# KiCad board frankenso.kicad_pcb (continued)
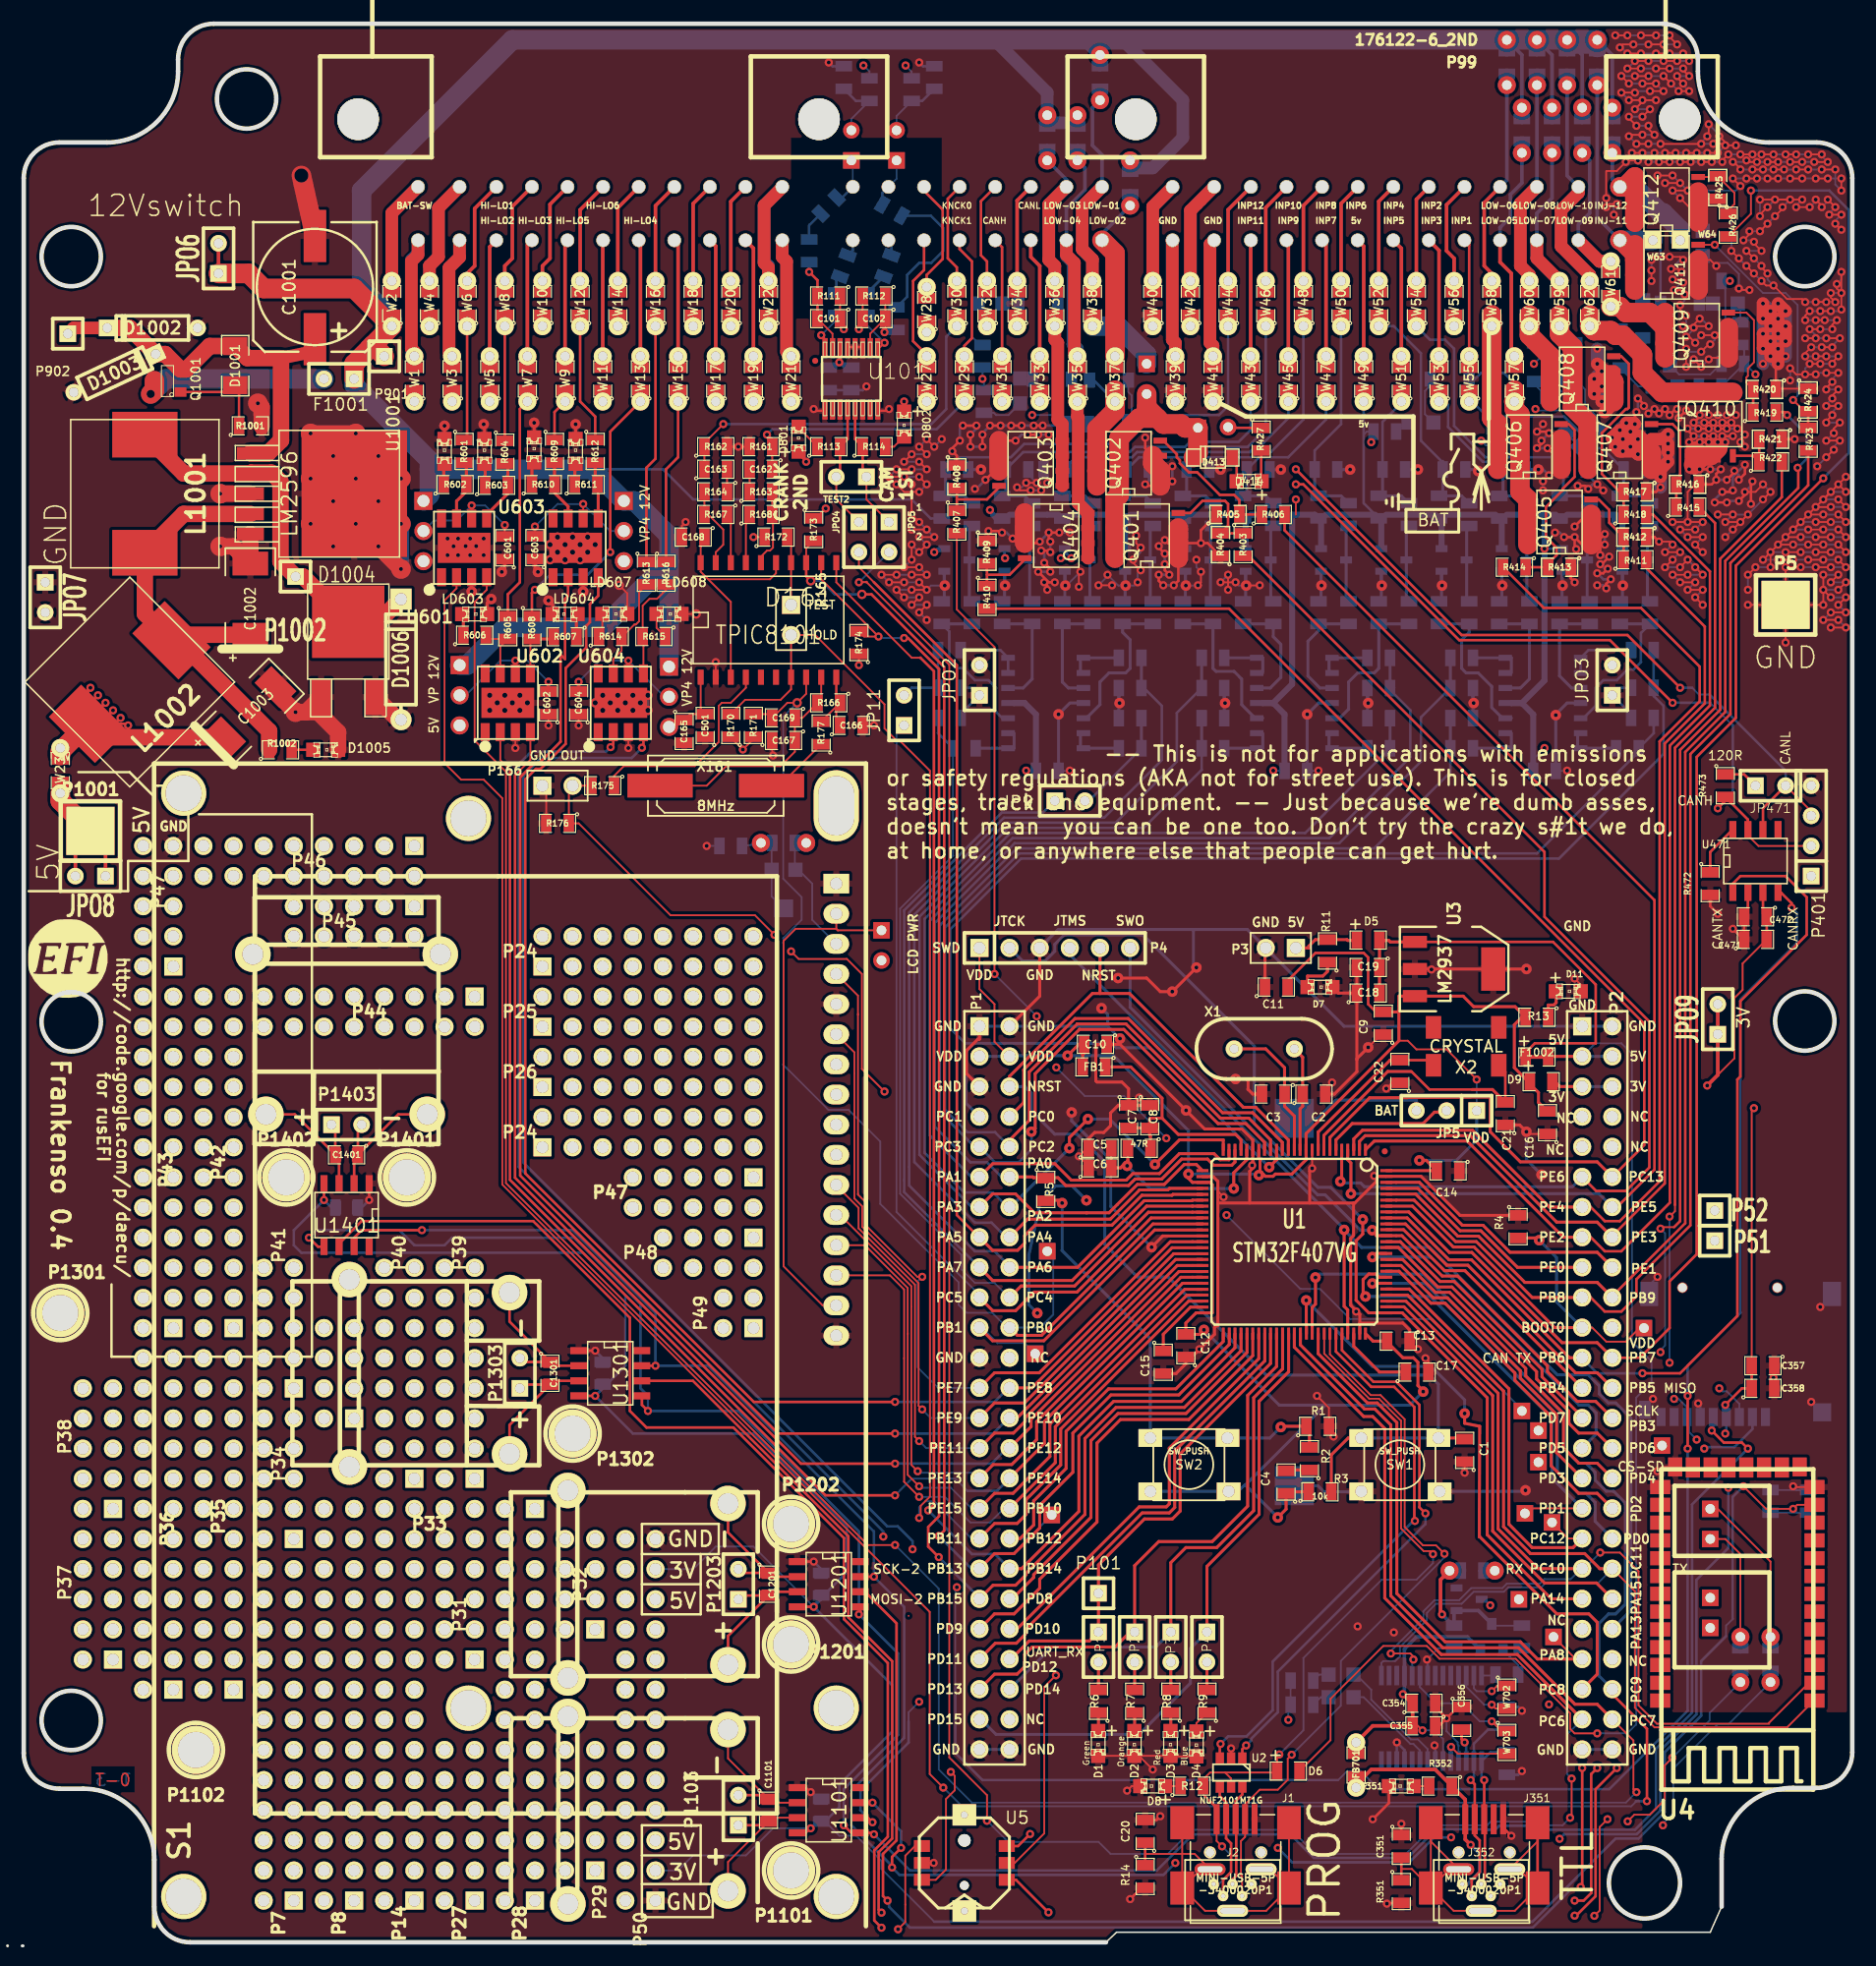
[diagram p0: board, top side]
## Routing (per net, layer and track width the routed paths; a pad name or vN(x,y) marks a point on that pad's centre or on a via; arc(x,y) is an arc through that point) (continued)
  Top w0.216: R351.1 C351.2 ; J351.6 J351.6
/PWR_buck_12V_switcher/FB: length 38.4
  Top w1.382: U1001.4 13.48,120.4 L1001.2 10.21,112 L1002.1 ; L1002.1 12.92,110.22 C1002.1 ; L1002.1 13.04,109.75 20.69,102.1 R1002.1
/PWR_buck_12V_switcher/OUT: length 32.9
  Top w1.382: L1001.1 13.48,123.81 U1001.2 19.17,123.88 20.88,123.88 21.64,123.12 21.64,116.39 P1002.1 23.54,115.12 D1004.2 29.89,111.31 D1006.2
/PWR_buck_12V_switcher/Vf: length 16.4
  Top w1.651: v4(10.7,130.51) 11.01,130.83 Q1001.3
  Bottom w1.651: v4(10.7,130.51) 11.97,131.78 F1001.2
/stm32f407_board/BOOT0: length 37.6
  Top w0.152: 131.35,51.81 132.2,51.81 133.38,50.63 135.03,50.63 136.18,51.77 P30.1
  Top w0.254: v1(127.73,59.18) 127.54,59.37 R4.2 ; U1.94 117.05,62.05 120.49,58.61 122.24,58.61 129.03,51.81 131.35,51.81
  Bottom w0.254: v1(127.73,59.18) 129.19,57.72 129.19,53.97 131.35,51.81
/stm32f407_board/D+: length 8.6
  Top w0.216: U2.6 102.71,12.46 102.14,11.89 J1.3 102.19,10.32 102.19,5.6 101.89,5.29 J2.3
/stm32f407_board/D-: length 9.9
  Top w0.216: U2.4 100.81,12.34 101.34,11.81 J1.2 101.34,8.76 101.76,8.34 101.76,5.93 101.09,5.25 J2.2
/stm32f407_board/NRST: length 108
  Top w0.254: SW1.1 111.63,42.51 110.21,41.08 R3.2 ; C1.2 121.35,42.51 SW1.1 ; 90.71,79.98 93.2,79.98 102.79,70.38 103.84,70.38 106.59,67.64 U1.14 ; 90.71,79.98 90.07,79.98 83.09,73 P1.6 ; 90.71,79.98 P4.5
  Bottom w0.254: P1.6 84.36,72.13 84.92,71.57 84.92,70.1 86.9,68.12 88.78,68.12 91.12,65.78 91.12,58.82 93.86,56.08 96.45,56.08 104.72,47.81 118.46,47.81 119.23,47.04 SW1.1 SW1.1
/stm32f407_board/PA5: length 83.6
  Top w0.152: 71.66,114.64 70.39,115.91 JPO4.2
  Top w0.216: 71.66,114.64 78.65,107.65 78.65,61.3 80.51,59.43 P1.15
  Top w0.254: P1.15 81.66,58.33 83.76,58.33 84.36,58.93 84.36,59.56 85.25,60.45 91.73,60.45 94.24,62.96 96.79,62.96 96.86,63.04 U1.30
/stm32f407_board/PA9: length 67.2
  Top w0.152: 99.98,11.89 99.41,12.47 R12.2 99.41,13.74 99.98,14.31 101.25,14.31 ; 101.25,14.31 101.76,13.8 U2.5 ; 101.25,14.31 105.51,14.31 D6.1 105.63,15.64 v2(105.82,15.83) ; v2(118.78,32.72) 118.52,32.98 117.99,32.98 116.09,34.88 116.09,43.96 114.23,45.82 113.4,45.82 109.61,49.61 U1.68 ; v2(101,8.08) 100.54,8.54 J1.1
  Top w0.216: 99.98,11.89 100.54,11.34 J1.1
  Bottom w0.152: v2(105.82,15.83) 107.86,17.86 107.86,23.96 114.46,30.56 117.38,30.56 118.78,31.96 v2(118.78,32.72) ; v2(101,8.08) 101.76,7.32 101.76,5.93 100.74,4.9 J2.1
/stm32f407_board/PA10: length 60.6
  Top w0.152: v2(119.74,32.75) 119.03,33.46 117.94,33.46 116.39,35.01 116.39,44.09 114.35,46.12 113.53,46.12 110.09,49.56 U1.69 ; v2(106.87,15.81) 106.54,15.48 106.54,13.7 105.7,12.86 104.17,12.86 102.94,11.63 J1.4 102.94,8.88 102.59,8.54 102.59,5.67 102.69,5.58 J2.4
  Bottom w0.152: v2(119.74,32.75) 119.74,32.44 111.01,23.71 111.01,19.95 v2(106.87,15.81)
/stm32f407_board/PA11: length 47.7
  Top w0.216: v2(100.87,16.72) 100.81,16.66 U2.3 ; v2(117.25,35.52) 117.2,35.57 117.2,45.12 115.5,46.82 113.57,46.82 110.6,49.79 U1.70
  Bottom w0.216: v2(100.87,16.72) 101.51,17.36 103.05,17.36 105.27,19.57 105.27,23.65 117.25,35.64 v2(117.25,35.52)
/stm32f407_board/PA12: length 46.2
  Top w0.216: v2(103.03,16.59) 102.71,16.27 U2.1 ; v2(118.14,36.15) 117.64,36.66 117.64,45.3 115.68,47.25 113.75,47.25 111.11,49.89 U1.71
  Bottom w0.216: v2(103.03,16.59) 103.47,17.04 103.47,17.17 105.7,19.39 105.7,22.82 118.14,35.26 v2(118.14,36.15)
/stm32f407_board/PA15: length 44.2
  Top w0.254: P2.40 132.56,30.29 128.18,30.29 123.81,34.66 123.81,46.09 116.33,53.57 U1.77
  PWR w0.152: P2.40 133.98,29.04 P11.1
/stm32f407_board/PB1: length 28.7
  Top w0.254: P1.21 81.66,50.7 85.98,50.7 95.32,60.04 U1.36
  Bottom w0.152: P13.1 84.36,50.5 82.08,50.5 80.76,51.81 P1.21
/stm32f407_board/PB3: length 276.1
  Top w0.216: v2(71.66,9.1) 71.53,9.23 U1101.5 69.76,9.23 v2(69.12,9.86) ; v2(145.32,41.61) 144.81,42.12 143.29,42.12 v2(142.27,43.14) ; v2(70.39,27.64) 70.52,27.77 U1201.5 ; v2(52.61,44.79) 52.1,45.3 U1301.5 ; v2(24.04,59.39) 24.8,58.63 U1401.5
  Top w0.254: v1(113.66,60.02) 114,59.68 114,59.56 U1.89 116.16,59.56 119.56,56.16 120.85,56.16 128.43,48.58 128.43,48.1 130.93,45.59 132.49,45.59 P2.28
  PWR w0.216: v2(142.27,43.14) 135.16,43.14 134.1,44.19 P2.28
  Bottom w0.216: v2(142.27,43.14) 142.4,43.26 P352.5 ; v2(71.66,9.1) 74.71,6.05 95.51,6.05 98.55,9.1 106.75,9.1 108.73,7.11 116.63,7.11 119.04,9.53 123.35,9.53 123.39,9.48 124.02,9.48 124.37,9.82 127.07,9.82 127.41,9.48 135.8,9.48 137.57,11.26 137.57,16.33 140.61,19.36 140.61,36.9 v2(145.32,41.61) ; v2(69.12,9.86) 69.12,12.91 73.69,17.48 73.69,24.34 v2(70.39,27.64) 70.39,34.63 60.23,44.79 v2(52.61,44.79) 52.61,46.06 51.98,46.69 51.98,53.79 46.38,59.39 36.1,59.39 35.47,58.76 32.93,58.76 31.66,60.03 24.67,60.03 v2(24.04,59.39)
  Bottom w0.254: v1(113.66,60.02) 112.67,60.02 109.68,63.01 109.05,63.01 93.25,78.81 P4.6
/stm32f407_board/PB5: length 37.4
  Top w0.254: P2.26 132.62,48 130.79,48 121.72,57.07 119.94,57.07 116.46,60.55 U1.91
  PWR w0.152: v2(142.91,46.69) 142.53,47.07 135.92,47.07 135.58,46.73 P2.26
  Bottom w0.152: v2(142.91,46.69) 143.16,46.44 143.54,46.44 144.6,45.38 P352.3
/stm32f407_board/PB10: length 58.7
  Top w0.152: v2(75.47,37.55) 74.2,38.82 74.2,55.02 73.01,56.22 S1.14
  Top w0.254: U1.47 98.04,54.56 86.94,43.46 86.94,40.43 P1.34
  Bottom w0.152: v2(75.47,37.55) 77.63,37.55 79.79,35.39 81.44,35.39 82.62,36.57 P1.34
/stm32f407_board/PB13: length 128.9
  Top w0.152: R173.2 65.95,117.5 D161.13
  Top w0.216: v2(77.12,34.25) 77.58,34.7 77.58,107.5 71.46,113.62 v3(70.65,113.62) ; v3(66.33,114.76) 65.95,115.15 D161.13
  Top w0.254: P1.37 81.82,32.76 83.47,32.76 85.63,34.92 85.63,36.83 88.43,39.62 88.43,42.92 91.64,46.14 97.35,46.14 101.61,50.39 U1.52
  Bottom w0.216: v2(77.12,34.25) 79.88,31.49 P1.37 ; v3(70.65,113.62) 68.36,113.62 67.22,114.76 v3(66.33,114.76)
/stm32f407_board/PB14: length 124.5
  Top w0.152: D161.11 68.49,114.64 74.85,108.27 75.58,108.27
  Top w0.216: 75.57,108.29 76.72,107.14 76.72,36.89 v2(76.23,36.41)
  Top w0.254: P1.38 84.11,31.49 88.93,36.32 88.93,42.67 91.85,45.59 97.57,45.59 102.09,50.11 U1.53
  Bottom w0.216: v2(76.23,36.41) 79.92,32.72 81.86,32.72 P1.38
/stm32f407_board/PB15: length 132.8
  Top w0.152: D161.12 67.22,114.89 v2(72.04,110.07) 70.84,110.07 R174.2 ; v2(74.2,109.94) 74.53,109.94
  Top w0.216: 74.53,109.94 77.15,107.32 77.15,35.92 76.23,35.01 76.23,33.36 v2(77.12,32.47)
  Top w0.254: P1.39 81.69,30.1 83.6,30.1 84.49,30.99 84.49,31.11 89.44,36.07 89.44,42.47 92.06,45.08 97.82,45.08 102.6,49.86 U1.54
  Bottom w0.152: v2(72.04,110.07) 72.17,109.94 v2(74.2,109.94)
  Bottom w0.216: v2(77.12,32.47) 80.55,29.04 P1.39
/stm32f407_board/PC6: length 222.8
  Top w0.152: v2(81.19,10.24) 81.19,12.4 78.01,15.58 78.01,107.68 71.04,114.65 70.4,114.65 v2(70.39,114.64) ; v2(130.34,10.5) 130.46,10.62 v2(130.46,13.8)
  Top w0.216: 71.03,114.66 71.04,114.65
  Top w0.254: 131.35,18.79 125.89,24.25 119.48,24.25 114.71,29.02 114.71,43.3 113.7,44.32 112.94,44.32 107.09,50.16 U1.63
  Bottom w0.152: v2(70.39,114.64) JPO5.2 ; v2(81.19,10.24) 82.96,8.47 90.58,8.47 91.6,7.45 96.43,7.45 98.46,9.48 106.84,9.48 108.87,7.45 116.49,7.45 118.91,9.86 123.35,9.86 123.65,10.16 127.8,10.16 128.09,9.86 129.7,9.86 v2(130.34,10.5) ; v2(130.46,13.8) 130.08,14.18 130.08,17.52 131.35,18.79
  Bottom w0.216: 130.76,18.79 131.35,18.79
/stm32f407_board/PC8: length 143.5
  Top w0.152: v2(133.48,10.37) 132.82,9.71 132.82,2.67 v2(132.38,2.23) ; U5.6 75.12,8.11 74.3,7.3 74.3,1.71 v2(73.69,1.1)
  Top w0.254: 122.68,34.18 122.68,34.19 ; 122.68,34.19 122.68,36.29 122.72,43.49 121.45,43.75 v1(121.45,44.57) ; 122.68,34.19 122.72,34.19 129.22,27.68 131.91,27.68 132.62,26.97 132.62,22.6 131.35,21.33 ; v1(108.1,54.11) 108.1,52.16 108.11,52.14 U1.65
  PWR w0.152: v2(128.56,20.05) 128.91,19.69 128.91,13.16 129.8,12.28 131.58,12.28 v2(133.48,10.37) ; v2(132.38,2.23) 131.38,1.23 73.82,1.23 v2(73.69,1.1)
  GND w0.152: v2(128.56,20.05) 129.84,21.33 131.35,21.33
  Bottom w0.152: 131.35,21.33 131.35,21.17
  Bottom w0.254: v1(121.45,44.57) 121.45,45.72 118.62,48.55 113.66,48.55 v1(108.1,54.11)
/stm32f407_board/PC10: length 90
  Top w0.152: v2(132.88,32.85) 134.53,32.85 136.1,31.27 136.1,19.97 137.65,18.42 147.1,18.42 147.1,18.5 150.47,21.87 U4.2 ; v2(115.22,24.34) 116.87,24.34 117.13,24.09 v2(117.13,23.83)
  Top w0.254: 131.35,31.49 127.62,31.49 124.26,34.85 124.26,46.28 116.49,54.05 U1.78
  Bottom w0.152: v2(132.88,32.85) 131.52,31.49 131.26,31.49 130.39,30.61 128.18,30.61 127.8,30.23 125,30.23 124.62,29.85 122,29.85 120.99,28.84 118.91,28.84 117.97,27.9 117.97,27.29 115.22,24.55 v2(115.22,24.34) ; v2(117.13,23.83) 117.03,23.73 U351.5
/stm32f407_board/PC11: length 89.2
  Top w0.152: P2.38 135.8,29.59 135.8,19.77 137.45,18.12 148.62,18.12 150.88,20.37 U4.1
  Top w0.254: P2.38 132.83,31.49 131.56,32.76 126.99,32.76 124.72,35.03 124.72,46.46 116.63,54.56 U1.79
  Bottom w0.152: P2.38 132.71,30.31 128.3,30.31 127.92,29.93 125.13,29.93 124.75,29.55 122.21,29.55 121.19,28.53 119.03,28.53 118.27,27.77 118.27,27.17 115.99,24.89 115.99,24.1 115.6,23.71 114.59,23.71 114.43,23.55 U351.1
/stm32f407_board/PC12: length 35.6
  Top w0.152: P16.1 130.17,34.03 131.35,34.03
  Top w0.254: 131.35,34.03 130.59,33.27 127.13,33.27 125.18,35.24 125.18,46.65 116.77,55.06 U1.80
/stm32f407_board/PD0: length 53.9
  Top w0.152: W102.2 W102.2 144.69,32.72 143.42,33.99 P17.1
  Top w0.254: v1(113.67,55.53) 113.69,55.55 U1.81
  PWR w0.152: P2.36 133.93,33.99 P17.1
  Bottom w0.152: W102.2 W102.2
  Bottom w0.254: v1(113.67,55.53) 118.09,55.53 129.26,44.37 129.26,39.65 131.06,37.84 131.69,37.84 132.44,37.08 132.44,35.48 P2.36
/stm32f407_board/PD1: length 37.4
  Top w0.152: P18.1 126.95,36.57 131.35,36.57
  Top w0.254: U1.82 114.25,56.06 113.97,56.33 113.37,56.33 112.89,55.86 112.89,54.63 v1(113.09,54.44)
  Bottom w0.254: v1(113.09,54.44) 118.54,54.44 128.8,44.18 128.8,39.13 131.35,36.57
/stm32f407_board/PD2: length 53.3
  Top w0.152: W103.2 W103.2 147.23,32.09 142.78,36.53 P19.1
  Top w0.254: U1.83 115.92,56.56 118.61,53.87 119.8,53.87 125.68,47.99 125.68,47.37 128.74,44.31 128.74,40.16 131.06,37.84 132.62,37.84 P2.34
  PWR w0.152: P2.34 133.93,36.53 P19.1
  Bottom w0.152: W103.2 W103.2
/stm32f407_board/PD6: length 31.3
  Top w0.254: U1.87 115.85,58.57 119.18,55.24 120.37,55.24 127.51,48.1 127.51,47.48 130.23,44.76 130.23,43.74 131.05,42.92 132.62,42.92 P2.30
  PWR w0.152: P22.1 137.87,41.65 P2.30
/stm32f407_board/PD10: length 58.8
  Top w0.152: v2(87,22.51) 86.01,21.52 86.01,9.18 83.52,6.69 U5.2
  Top w0.254: U1.57 104.1,49.2 96.55,41.65 96.55,36.95 96.3,36.7 94.01,36.7 83.73,26.41 P1.42
  PWR w0.152: v2(87,22.51) P1.42
/stm32f407_board/PD11: length 61.3
  Top w0.152: v2(78.14,14.36) 78.47,14.03 78.47,12.81 77.73,12.07 77.73,6.13 76.87,5.26 U5.4
  Top w0.254: P1.43 81.88,25.21 83.66,25.21 84.42,25.97 84.42,26.35 94.27,36.19 96.55,36.19 97.01,36.65 97.01,41.41 104.61,49.01 U1.58
  PWR w0.152: P1.43 78.14,21.46 v2(78.14,14.36)
/stm32f407_board/PD13: length 48.4
  Top w0.254: P1.45 81.82,22.6 83.73,22.6 84.36,23.24 84.36,24.25 85,24.89 91.98,24.89 93.25,26.16 JP2.1 93.63,31.75 95.66,33.78 100.17,33.78 103.16,36.76 103.16,46.1 105.6,48.54 U1.60
/stm32f407_board/PD14: length 46.2
  Top w0.254: JP3.1 96.68,32 97.95,33.27 100.55,33.27 103.67,36.38 103.67,45.9 106.1,48.33 U1.61
  Bottom w0.254: P1.46 86.65,24.89 95.41,24.89 JP3.1
/stm32f407_board/PD15: length 53
  Top w0.254: JP4.1 99.73,31.68 104.12,36.08 104.12,45.6 106.61,48.09 U1.62
  Bottom w0.254: JP4.1 98.33,24.76 98.33,21.84 94.01,17.52 81.95,17.52 80.68,18.79 P1.47
/stm32f407_board/PE0: length 32.4
  Top w0.254: U1.97 117.49,63.55 121.06,59.98 122.81,59.98 125.89,56.89 131.35,56.89
  PWR w0.152: P52.1 138.84,58 132.88,58 131.77,56.89 131.35,56.89
/stm32f407_board/PE1: length 31.6
  Top w0.216: P2.18 133.91,56.89
  Top w0.254: U1.98 117.63,64.06 121.25,60.44 123,60.44 125.27,58.16 132.62,58.16 P2.18
  PWR w0.152: P51.1 140.88,57.49 137.19,57.49 136.6,56.89 P2.18
/stm32f407_board/PE7: length 66.4
  Top w0.152: 70.32,78.26 70.32,78.19 ; 70.32,78.19 70.32,63.02 71.03,62.31 71.03,60.38 75.32,56.09 v2(75.73,56.09) ; 70.32,78.19 70.32,79.79 S1.4
  Top w0.254: U1.38 96.64,59.05 85.59,48 81.82,48 P1.25
  Bottom w0.152: v2(75.73,56.09) 75.34,55.71 75.34,48.47 77.08,46.73 P1.25
/stm32f407_board/PE9: length 64.3
  Top w0.152: v2(75.73,44.91) 75.42,45.22 75.42,55.56 70.67,60.31 70.67,62.03 70.01,62.69 70.01,75.01 68.49,76.54
  Top w0.254: P1.27 81.82,45.46 84.35,45.46 96.92,58.04 U1.40
  Bottom w0.152: v2(75.73,44.91) 76.45,44.19 P1.27
/stm32f407_board/PE11: length 55.2
  Top w0.152: v2(75.47,42.25) 75.12,42.6 75.12,55.43 70.37,60.18 70.37,61.91 68.49,63.79 S1.11
  Top w0.254: P1.29 81.82,42.92 83.42,42.92 84.41,43.92 84.41,44.23 97.22,57.05 U1.42
  Bottom w0.152: v2(75.47,42.25) 76.07,41.65 P1.29
/stm32f407_board/PE13: length 56.8
  Top w0.152: v2(75.34,39.71) 74.81,40.24 74.81,55.3 68.82,61.3 68.49,61.3
  Top w0.254: P1.31 81.71,40.27 83.27,40.27 85.37,42.37 85.37,43.9 97.53,56.06 U1.44
  Bottom w0.152: v2(75.34,39.71) 75.47,39.58 80.08,39.58 P1.31
/stm32f407_board/PE15: length 58.6
  Top w0.152: 74.51,51.34 74.51,51.26 ; 74.51,51.26 74.51,55.15 70.9,58.76 S1.13 ; 74.51,51.26 74.51,39.4 v2(75.47,38.44)
  Top w0.254: U1.46 97.85,55.04 86.49,43.67 86.49,40.95 83.38,37.84 81.82,37.84 P1.33
  Bottom w0.152: v2(75.47,38.44) 75.6,38.31 78.14,38.31 79.88,36.57 P1.33
/stm32f407_board/shield: length 35.5
  Top w0.152: J1.6 99.22,6.15 J2.6 98.69,7.45 94.52,7.45 ; J1.6 99.57,2.65 J2.6 104.72,2.65 J1.6 ; J1.6 J1.6 ; J1.6 105.07,6.15 J2.6 ; J1.6 J1.6
  Top w0.216: R14.1 C20.1
/thermocouple1//CS: length 68.6
  Top w0.152: P101.1 JP1.1
  Top w0.216: v2(71.53,10.12) 71.15,10.5 U1101.6
  Top w0.254: P1.44 83.22,23.87 84.74,25.4 89.82,25.4 JP1.1 90.58,31.81 94.46,35.68 96.81,35.68 97.47,36.34 97.47,41.17 105.09,48.79 U1.59
  PWR w0.152: P1.44 82.42,23.87 81.19,25.1 79.54,25.1 75.47,21.04 v2(75.47,20.28)
  Bottom w0.152: v2(75.47,20.28) 74.58,19.39 74.58,18.63
  Bottom w0.216: 74.58,18.63 74.58,16.83 70.52,12.77 70.52,11.13 v2(71.53,10.12)
/thermocouple1/MISO: length 242.2
  Top w0.216: v2(71.66,30.82) U1201.7 ; v2(53.25,48.6) U1301.7 ; v2(33.56,60.03) 28.48,60.03 27.85,59.39 U1401.7 ; v2(73.95,7.96) 73.19,7.2 v2(73.19,6.31) ; U1101.7 v2(71.53,11.77)
  Top w0.254: U1.90 116.29,60.07 119.75,56.61 121.47,56.61 131.35,46.73
  PWR w0.152: v2(139.1,45.8) 138.34,46.57 136.43,46.57 135.29,45.42 133.13,45.42 131.82,46.73 131.35,46.73 ; v2(141,42.37) 142.27,42.37 143.67,40.98 v2(143.67,38.31)
  PWR w0.216: v2(97.06,6.69) 99.47,9.1 104.68,9.1 105.7,8.08 v2(105.7,7.96) ; v2(120.3,8.85) 121.19,9.74 127.16,9.74 128.18,8.72 v2(129.45,8.72)
  Bottom w0.152: 139.35,45.55 v2(139.1,45.8) 139.48,45.8 140.2,45.08 P352.7 140.37,44.11 140.37,43.01 v2(141,42.37)
  Bottom w0.216: v2(97.06,6.69) 96.06,5.68 73.81,5.68 v2(73.19,6.31) 73.19,6.43 69.76,9.86 69.76,12.78 74.2,17.23 74.2,28.28 v2(71.66,30.82) 71.66,34.63 57.69,48.6 v2(53.25,48.6) 53.25,53.04 46.26,60.03 v2(33.56,60.03) ; v2(105.7,7.96) 106.91,6.74 116.78,6.74 118.89,8.85 v2(120.3,8.85) ; v2(129.45,8.72) 129.84,9.11 135.95,9.11 137.94,11.11 137.94,16.17 140.98,19.21 140.98,30.54 143.67,33.23 v2(143.67,38.31) ; v2(71.53,11.77) 73.95,9.35 v2(73.95,7.96)
/thermocouple1/TCPL+: length 12.5
  Top w0.152: P1104.2 59.36,6.77 C1101.2 63.09,10.5 U1101.3
  Top w0.216: C1101.2 62.45,9.86 P1103.1
/thermocouple1/TCPL-: length 12.5
  Top w0.152: U1101.2 63.09,11.77 C1101.1 59.36,15.5 P1104.1
  Top w0.216: C1101.1 62.45,12.4 P1103.2
/thermocouple2//CS: length 208.5
  Top w0.216: v2(72.8,3.51) 72.42,3.89 72.42,7.45 73.57,8.59 73.57,26.88 70.9,29.55 U1201.6 ; v2(131.22,4.66) 131.35,4.78 v2(131.35,14.69)
  Top w0.254: v1(112.86,60.93) 112.86,59.7 112.3,59.14 112.3,54.12 113.36,53.06 U1.76 116.19,53.06 123.35,45.9 123.35,34.35 128.75,28.95 131.35,28.95
  PWR w0.152: 131.35,28.95 131.31,28.91 P10.1
  PWR w0.216: 131.35,28.95 130.08,27.68 130.08,15.83 131.22,14.69 v2(131.35,14.69)
  Bottom w0.216: v2(72.8,3.51) 72.93,3.39 72.93,2.99 74.68,1.24 127.19,1.24 130.47,4.52 131.09,4.52 v2(131.22,4.66)
  Bottom w0.254: P4.2 84.18,82.72 86.09,82.72 86.9,83.54 86.9,84.13 87.69,84.91 94.35,84.91 103.72,75.54 103.72,68.99 109.08,63.63 110.16,63.63 v1(112.86,60.93)
/thermocouple2/TCPL+: length 12.5
  Top w0.216: C1201.2 63.09,29.55 U1201.3 ; C1201.2 59.36,25.82 P1204.2 ; C1201.2 60.55,29.23 P1203.1
/thermocouple2/TCPL-: length 12.5
  Top w0.216: C1201.1 63.09,30.82 U1201.2 ; C1201.1 59.36,34.55 P1204.1 ; C1201.1 60.55,31.14 P1203.2
/thermocouple3//CS: length 185.3
  Top w0.152: P6.1 130.8,23.87 131.35,23.87
  Top w0.216: v2(72.3,2.5) 72.05,2.74 72.05,7.6 73.2,8.75 73.2,23.69 69.5,27.39 69.5,34.23 56.4,47.33 U1301.6 ; v2(132.62,14.69) 132.11,14.18 132.11,4.15 131.48,3.51 v2(130.72,3.51)
  Top w0.254: 131.35,23.87 127.59,23.87 126.13,25.33 119.79,25.33 115.73,29.4 115.73,43.81 114.08,45.46 113.25,45.46 109.1,49.62 U1.67
  PWR w0.152: v2(72.3,2.5) 73.06,1.73 74.94,1.73 75.14,1.53 128.74,1.53 v2(130.72,3.51)
  PWR w0.216: 131.35,23.87 132.62,22.6 132.62,18.5 133.38,17.74 133.38,17.48 132.62,16.72 v2(132.62,14.69)
/thermocouple3/TCPL+: length 12.5
  Top w0.216: C1301.2 40.95,43.6 P1304.2 ; C1301.2 44.67,47.33 U1301.3 ; C1301.2 42.13,47.01 P1303.1
/thermocouple3/TCPL-: length 12.5
  Top w0.216: C1301.1 40.95,52.33 P1304.1 ; C1301.1 44.67,48.6 U1301.2 ; C1301.1 42.13,48.92 P1303.2
/thermocouple4//CS: length 280.3
  Top w0.216: v2(72.3,1.23) 71.69,1.84 71.69,7.75 72.83,8.9 72.83,23.54 69.13,27.24 69.13,34.08 59.82,43.39 52.48,43.39 51.09,44.79 51.09,52.64 42.94,60.79 28.48,60.79 26.58,58.88 U1401.6 ; v2(134.27,14.69) 132.48,12.9 132.48,3.88 130.84,2.24 v2(130.72,2.24)
  Top w0.254: U1.72 111.59,53.31 111.29,53.61 v1(111.29,60.05)
  PWR w0.152: P2.42 133.98,26.5 P9.1
  PWR w0.216: P2.42 135.03,25.27 135.03,15.32 134.4,14.69 v2(134.27,14.69)
  GND w0.152: v2(72.3,1.23) 72.8,1.73 74.58,1.73 75.09,1.23 129.7,1.23 v2(130.72,2.24)
  Bottom w0.254: P2.42 135.45,27.97 135.45,44.19 134.18,45.46 133.56,45.46 132.8,46.22 132.8,46.89 131.86,47.83 129.27,47.83 118.52,58.57 112.76,58.57 v1(111.29,60.05) 111.29,60.12 88.17,83.24 P4.4
/thermocouple4/TCPL+: length 12.5
  Top w0.216: C1401.2 26.58,66.06 U1401.3 ; C1401.2 22.85,69.79 P1404.2 ; C1401.2 26.26,68.6 P1403.1
/thermocouple4/TCPL-: length 12.5
  Top w0.216: C1401.1 27.85,66.06 U1401.2 ; C1401.1 31.58,69.79 P1404.1 ; C1401.1 28.16,68.6 P1403.2
N-0000092: length 10.9
  Top w0.152: W47.2 W47.2
  Top w0.305: P99.43 109.76,143.14 W47.2
N-0000093: length 9.5
  Top w0.152: W48.2 W48.2
  Top w0.305: P99.56 107.86,146.39 W48.2
N-0000094: length 10.9
  Top w0.152: W49.2 W49.2
  Top w0.305: P99.44 112.94,142.96 W49.2
N-0000095: length 9.5
  Top w0.152: W50.2 W50.2
  Top w0.305: P99.57 111.03,146.57 W50.2
N-0000096: length 11
  Top w0.152: W51.2 W51.2
  Top w0.305: P99.45 116.11,142.79 W51.2
N-0000097: length 9.4
  Top w0.152: W52.2 W52.2
  Top w0.305: P99.58 114.21,146.74 W52.2
N-0000098: length 11.1
  Top w0.152: W53.2 W53.2
  Top w0.305: P99.46 119.29,142.61 W53.2
N-0000099: length 9.3
  Top w0.152: W54.2 W54.2
  Top w0.305: P99.59 117.38,146.92 W54.2
N-00000100: length 10.9
  Top w0.152: W55.2 W55.2
  Top w0.216: P99.47 121.83,143.07 W55.2
N-00000101: length 9.8
  Top w0.152: W56.2 W56.2
  Top w0.305: P99.60 119.92,146.46 119.92,142.58 120.56,141.94 W56.2
N-00000124: length 17.7
  Top w1.067: P99.12 31.02,145.76 W2.2
  Bottom w1.067: P99.12 31.02,145.76 W2.2
N-00000127: length 80.5
  Top w0.216: v2(84.82,9.13) 83.81,8.11 U5.3
  PWR w0.152: v2(138.16,9.86) 137.4,9.1 134.45,9.1 127.19,1.84 89.67,1.84 84.82,6.69 v2(84.82,9.13)
  Bottom w0.152: W103.1 W103.1 143.67,18.37 142.76,18.37 139.02,14.64 139.02,10.88 138.16,10.02 v2(138.16,9.86)
N-00000129: length 74.4
  Top w0.152: v2(135.19,10.19) 135.75,10.75 137.04,10.75 138.31,12.02 138.31,14.92 v2(138.95,15.55)
  Top w0.216: v2(86.37,2.52) 83.63,5.26 U5.1
  GND w0.152: v2(86.37,2.52) 87.33,1.56 127.49,1.56 130.18,4.25 130.18,5.19 v2(135.19,10.19)
  Bottom w0.152: v2(138.95,15.55) 142.1,18.7 142.1,19.34 W102.1
N-00000133: length 8.5
  Bottom w0.152: RV101.2 63.04,88.15 RV101.1 63.04,92.62 W101.2 W101.2 R99.2
N-00000146: length 9.6
  Top w0.152: W46.2 W46.2
  Top w0.305: P99.55 104.68,146.22 W46.2
N-00000147: length 9.9
  Top w0.152: W32.2 W32.2
  Top w0.216: P99.35 80.68,146.76 80.68,142.2 81.19,141.69 W32.2
  Top w0.305: 81.82,147.66 P99.35
N-00000148: length 11.4
  Top w0.152: W29.2 W29.2
  Top w0.216: P99.26 78.88,142.73 79.92,141.69 79.92,135.21 79.28,134.58 W29.2
N-00000149: length 11
  Top w0.152: W31.2 W31.2
  Top w0.216: P99.27 82.46,142.89 W31.2
N-00000150: length 28.9
  Top w0.152: W35.2 W35.2
  Top w1.067: W35.2 88.55,133.94 88.55,141.56 87.88,142.23 P99.29
  Bottom w0.305: D12.1 89.44,149.56 89.44,147.71 87.88,146.15 P99.29
  Bottom w1.067: P99.29 87.88,142.14 88.43,141.6 88.43,134.7 88.81,134.32 W35.2
N-00000151: length 15.9
  Top w0.152: W61.2 W61.2
  Top w1.067: P99.50 132.81,141.69 W61.2
  Bottom w0.305: D20.1 131.99,150.2 131.99,145.75 131.03,144.8 P99.50
  Bottom w1.067: P99.50 132.81,141.69 W61.2
N-00000152: length 18.5
  Top w0.152: W58.2 W58.2
  Top w0.305: P99.61 123.1,146.63 123.1,141.31 123.73,140.67 W58.2
  Bottom w0.305: P99.61 125,148.54 D17.1
N-00000153: length 27.2
  Top w0.152: W60.2 W60.2
  Top w1.067: P99.62 126.14,146.58 126.14,141.31 126.91,140.55 W60.2
  Bottom w0.305: P99.62 127.54,147.98 D19.1
  Bottom w1.067: P99.62 126.14,146.58 126.14,141.31 126.91,140.55 W60.2
N-00000154: length 29
  Top w0.152: W62.2 W62.2
  Top w1.067: P99.63 131.03,147.46 129.57,146.01 129.57,142.96 131.99,140.55 W62.2
  Bottom w0.305: P99.63 130.08,148.92 D21.1
  Bottom w1.067: W62.2 131.99,140.55 129.57,142.96 129.57,146.01 131.03,147.46 P99.63
N-00000156: length 21.7
  Top w0.152: W21.2 W21.2
  Top w1.067: W21.2 64.3,134.07 64.3,141.69 63.93,142.05 P99.11
  Bottom w1.067: 64.3,134.07 W21.2 64.3,134.07 ; 64.3,134.07 64.3,141.69 63.93,142.05 P99.11
N-00000157: length 9.4
  Top w0.152: W20.2 W20.2
  Top w0.305: P99.21 59.6,146.73 W20.2
N-00000158: length 18.4
  Top w0.152: W22.2 W22.2
  Top w1.067: W22.2 62.77,141.18 62.4,141.55 62.4,146.4 63.93,147.93 P99.22
  Bottom w1.067: W22.2 62.77,141.31 62.39,141.69 62.39,146.39 63.93,147.93 P99.22
N-00000159: length 15.1
  Top w0.152: W37.2 W37.2
  Top w1.651: P99.30 91.98,142.37 W37.2
  Bottom w0.305: D14.1 90.88,144.02 P99.30
N-00000160: length 27.2
  Top w0.152: W38.2 W38.2
  Top w0.305: 90.71,147.66 P99.38
  Top w1.067: P99.38 89.21,146.3 89.21,142.72 90.08,141.85 W38.2
  Bottom w0.305: D15.1 90.08,154.64 90.08,151.47 90.88,150.66 P99.38
  Bottom w1.067: P99.38 89.21,146.3 89.21,142.68 90.08,141.82 W38.2
N-00000161: length 18.2
  Top w0.152: W40.2 W40.2
  Top w1.067: P99.52 95.16,146.3 W40.2
  Bottom w1.067: P99.52 95.16,146.3 W40.2
N-00000162: length 21.5
  Top w0.152: W41.2 W41.2
  Top w1.067: P99.40 99.98,143.12 99.98,134.83 100.24,134.58 W41.2
  Bottom w1.067: 99.98,143.12 P99.40 99.98,143.12 ; 99.98,143.12 99.98,134.83 100.24,134.58 W41.2
N-00000163: length 21.8
  Top w0.152: W36.2 W36.2
  Top w0.305: 88.17,147.66 P99.37
  Top w1.067: P99.37 86.39,146.48 86.39,141.82 86.9,141.31 W36.2
  Bottom w0.305: D13.1 87.88,148.58 P99.37
  Bottom w1.067: P99.37 86.39,146.48 86.39,141.82 86.9,141.31 W36.2
N-00000164: length 18.5
  Top w0.152: W42.2 W42.2
  Top w1.067: P99.53 98.33,145.97 W42.2
  Bottom w1.067: P99.53 98.33,145.97 W42.2
N-00000165: length 10.7
  Top w0.152: W43.2 W43.2
  Top w0.305: P99.41 103.41,143.45 W43.2
N-00000166: length 9.7
  Top w0.152: W44.2 W44.2
  Top w0.305: P99.54 101.51,146.04 W44.2
N-00000167: length 10.8
  Top w0.152: W45.2 W45.2
  Top w0.305: P99.42 106.59,143.31 W45.2
N-00000168: length 19.4
  Top w0.152: W57.2 W57.2
  Top w0.305: W57.2 125.38,133.94 125.38,140.67 124.43,141.63 P99.48
  Bottom w0.305: D16.1 126.27,148.29 125.31,147.33 125.31,145.42 124.43,144.55 P99.48
N-00000169: length 20.8
  Top w0.152: W39.2 W39.2
  Top w1.067: P99.39 96.81,143.45 96.81,135.08 97.06,134.83 W39.2
  Bottom w1.067: 96.81,143.45 P99.39 96.81,143.45 ; 96.81,143.45 96.81,135.08 97.06,134.83 W39.2
N-00000170: length 17.3
  Top w0.152: W59.2 W59.2
  Top w1.067: W59.2 127.53,141.95 P99.49
  Bottom w0.305: P99.49 127.53,145.74 128.81,147.02 D18.1
  Bottom w1.067: W59.2 127.53,141.95 P99.49
N-00000171: length 11
  Top w0.152: W19.2 W19.2
  Top w0.305: P99.10 61.5,142.8 W19.2
N-00000172: length 11.6
  Top w0.152: W27.2 W27.2
  Top w0.216: P99.25 75.88,140.95 74.96,140.04 74.96,134.96 76.11,133.81 W27.2
N-00000173: length 10.1
  Top w0.152: W28.2 76.11,139.53
  Top w0.216: P99.33 75.88,147.63 77.45,146.06 77.45,141.89 76.11,140.55 76.11,140.04
N-00000174: length 11
  Top w0.152: W33.2 W33.2
  Top w0.305: W33.2 85.63,141.31 84.88,142.06 P99.28
N-00000175: length 9.7
  Top w0.305: W34.2 W34.2 83.73,146.81 P99.36 85,147.66
N-00000197: length 10.7
  Top w0.152: W11.2 W11.2
  Top w0.305: P99.6 48.8,143.44 W11.2
N-00000198: length 18
  Top w1.067: P99.13 34.96,146.19 34.96,142.07 34.2,141.31 W4.2
  Bottom w1.067: P99.13 34.96,146.19 34.96,142.07 34.2,141.31 W4.2
